# KiCad board OpenRX-all.kicad_pcb (continued)
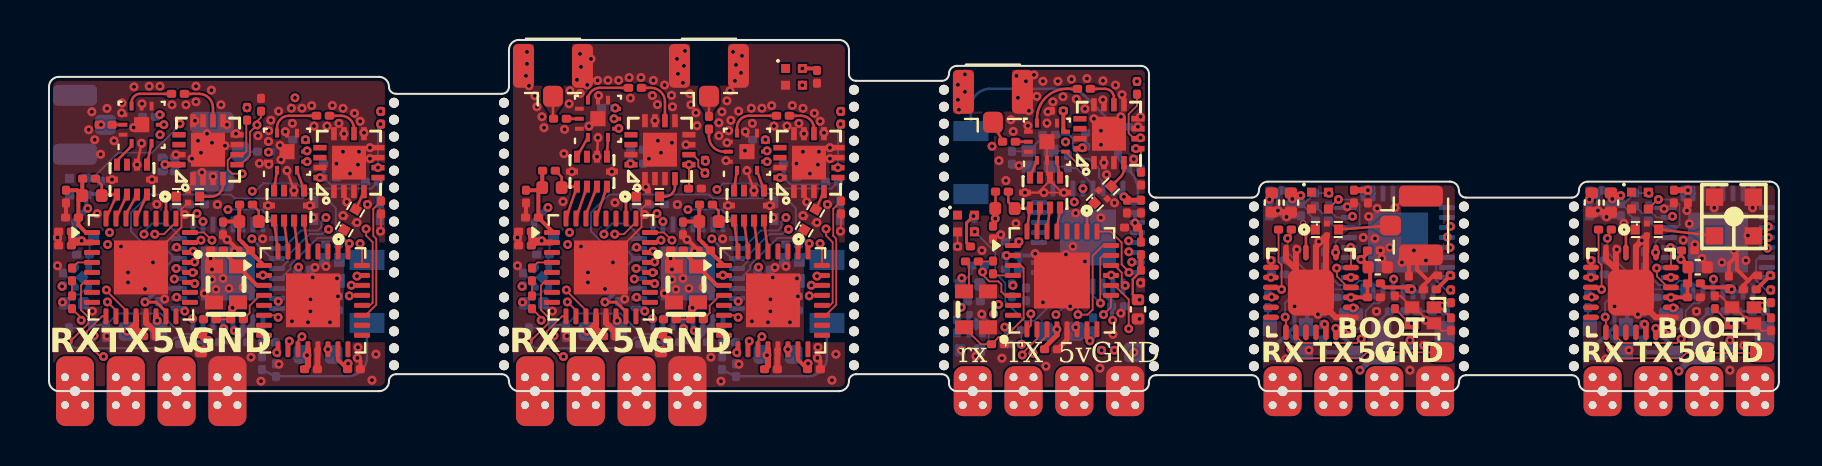
[diagram p0: board, top side]
## Footprints (pads in the part's own frame, mm; a bottom-side part is the same pattern mirrored in y, then rotated)
ANT-SMD_47948-0001
  rect 0.87x0.87 smd: 1(0.97,0.97) 2(-0.97,0.97) 3(-0.97,-0.97) 4(0.97,-0.97)
ANT-SMD_L3.2-W1.6
  rect 1x1.75 smd: 1(-1.58,0) 2(1.58,0)
BreakLine_1h_D0.5mm_P0.85mm
  round 0.5 hole 0.5 unplated: (0,0)
BreakLine_5h_D0.5mm_P0.85mm
  round 0.5 hole 0.5 unplated: (-1.7,0) (-0.85,0) (0,0) (0.85,0) (1.7,0)
BreakLine_11h_D0.5mm_P0.85mm
  round 0.5 hole 0.5 unplated: (-4.25,0) (-3.4,0) (-2.55,0) (-1.7,0) (-0.85,0) (0,0) (0.85,0) (1.7,0) (2.55,0) (3.4,0) (4.25,0)
C_0201_0603Metric
  rrect 0.318x0.36 smd: (-0.345,0) (0.345,0)
  rrect 0.46x0.4 smd: 1(-0.32,0) 2(0.32,0)
C_0402_1005Metric
  rrect 0.56x0.62 smd: 1(-0.48,0) 2(0.48,0)
CRYSTAL-SMD_4P-L1.6-W1.2-BL
  rect 0.73x0.6 smd: 1(-0.55,-0.4) 2(0.55,-0.4) 3(0.55,0.4) 4(-0.55,0.4)
CRYSTAL-SMD_4P-L1.6-W1.2-BL#2
  rect 0.68x0.55 smd: 1(-0.55,-0.375) 2(0.525,-0.375) 3(0.525,0.375) 4(-0.525,0.375)
FILTER-SMD_4P-L1.0-W0.5-L
  rect 0.45x0.5 smd: 1(-0.58,0) 3(0.58,0)
  rect 0.3x0.3 smd: 2(0,-0.3) 4(0,0.3)
FILTER-SMD_10P-L2.0-W1.6-BL
  rect 0.3x0.6 smd: 1(-0.75,-0.75) 2(-0.25,-0.75) 3(0.25,-0.75) 4(0.75,-0.75) 6(0.75,0.75) 7(0.25,0.75) 8(-0.25,0.75) 9(-0.75,0.75)
  rect 0.6x0.3 smd: 5(1,0) 10(-1,0)
L_0201_0603Metric
  rrect 0.318x0.36 smd: (-0.345,0) (0.345,0)
  rrect 0.46x0.4 smd: 1(-0.32,0) 2(0.32,0)
L_0402_1005Metric
  rrect 0.59x0.64 smd: 1(-0.485,0) 2(0.485,0)
L_0603_1608Metric
  rrect 0.875x0.95 smd: 1(-0.787,0) 2(0.787,0)
L_0805_2012Metric
  rrect 0.675x1.2 smd: 1(-0.963,0) 2(0.963,0)
LED-SMD_4P-L1.0-W1.0-TL_XL-1010RGBC-WS2812B
  rect 0.45x0.45 smd: 1(-0.42,0.42) 2(0.42,0.42) 3(-0.42,-0.42) 4(0.42,-0.42)
OSC-SMD_4P-L2.0-W1.6-BL_TXC_7Z
  rect 0.7x0.9 smd: 1(-0.9,-0.6) 2(0.9,-0.6) 3(0.9,0.6) 4(-0.9,0.6)
QFN-12_EP_2x2_Pitch0.5mm
  rect 0.28x0.28 smd: (-0.19,0.19) (-0.19,-0.19) (0.19,0.19) (0.19,-0.19)
  rect 0.44x0.2 smd: 1(-0.93,0.5) 2(-0.93,0) 3(-0.93,-0.5) 7(0.93,-0.5) 8(0.93,0) 9(0.93,0.5)
  rect 0.2x0.44 smd: 4(-0.5,-0.93) 5(0,-0.93) 6(0.5,-0.93) 10(0.5,0.93) 11(0,0.93) 12(-0.5,0.93)
  rect 0.76x0.76 smd: 13(0,0)
QFN-16_L3.0-W3.0-P0.50-BL-EP1.7
  rect 0.28x0.66 smd: 1(-0.75,-1.45) 2(-0.25,-1.45) 3(0.25,-1.45) 4(0.75,-1.45) 9(0.75,1.45) 10(0.25,1.45) 11(-0.25,1.45) 12(-0.75,1.45)
  rect 0.66x0.28 smd: 5(1.45,-0.75) 6(1.45,-0.25) 7(1.45,0.25) 8(1.45,0.75) 13(-1.45,0.75) 14(-1.45,0.25) 15(-1.45,-0.25) 16(-1.45,-0.75)
  rect 1.7x1.7 smd: 17(0,0)
QFN-24_L4.0-W4.0-P0.50-TL-EP2.6
  oval 0.8x0.28 smd: 1(-2,1.25) 2(-2,0.75) 3(-2,0.25) 4(-2,-0.25) 5(-2,-0.75) 6(-2,-1.25) 13(2,-1.25) 14(2,-0.75) 15(2,-0.25) 16(2,0.25) 17(2,0.75) 18(2,1.24)
  oval 0.28x0.8 smd: 7(-1.25,-2) 8(-0.75,-2) 9(-0.25,-2) 10(0.25,-2) 11(0.75,-2) 12(1.25,-2) 19(1.25,2) 20(0.75,2) 21(0.25,2) 22(-0.25,2) 23(-0.75,2) 24(-1.25,2)
  rrect 2.3x2.3 smd: 25(0,-0.01)
QFN-32-1EP_5x5mm_P0.5mm_EP3.7x3.7mm
  rrect 1x1 smd: (-0.75,0.75) (-0.75,-0.75) (0.75,0.75) (0.75,-0.75)
  rrect 0.8x0.25 smd: 1(-2.45,1.75) 2(-2.45,1.25) 3(-2.45,0.75) 4(-2.45,0.25) 5(-2.45,-0.25) 6(-2.45,-0.75) 7(-2.45,-1.25) 8(-2.45,-1.75) 17(2.45,-1.75) 18(2.45,-1.25) 19(2.45,-0.75) 20(2.45,-0.25) 21(2.45,0.25) 22(2.45,0.75) 23(2.45,1.25) 24(2.45,1.75)
  rrect 0.25x0.8 smd: 9(-1.75,-2.45) 10(-1.25,-2.45) 11(-0.75,-2.45) 12(-0.25,-2.45) 13(0.25,-2.45) 14(0.75,-2.45) 15(1.25,-2.45) 16(1.75,-2.45) 25(1.75,2.45) 26(1.25,2.45) 27(0.75,2.45) 28(0.25,2.45) 29(-0.25,2.45) 30(-0.75,2.45) 31(-1.25,2.45) 32(-1.75,2.45)
  rect 2.7x2.7 smd: 33(0,0)
QFN-32-1EP_5x5mm_P0.5mm_EP3.7x3.7mm#2
  rrect 1x1 smd: (-0.75,0.75) (-0.75,-0.75) (0.75,0.75) (0.75,-0.75)
  rrect 0.8x0.25 smd: 1(-2.45,1.75) 2(-2.45,1.25) 3(-2.45,0.75) 4(-2.45,0.25) 6(-2.45,-0.75) 7(-2.45,-1.25) 8(-2.45,-1.75) 19(2.45,-0.75) 20(2.45,-0.25) 21(2.45,0.25) 22(2.45,0.75) 23(2.45,1.25) 24(2.45,1.75)
  rrect 0.25x0.8 smd: 9(-1.75,-2.45) 10(-1.25,-2.45) 11(-0.75,-2.45) 12(-0.25,-2.45) 13(0.25,-2.45) 14(0.75,-2.45) 15(1.25,-2.45) 16(1.75,-2.45) 25(1.75,2.45) 26(1.25,2.45) 27(0.75,2.45) 28(0.25,2.45) 29(-0.25,2.45) 30(-0.75,2.45) 31(-1.25,2.45) 32(-1.75,2.45)
  rect 2.8x2.8 smd: 33(0,0)
QFN-32-1EP_5x5mm_P0.5mm_EP3.7x3.7mm#3
  rrect 1x1 smd: (-0.75,-0.75) (-0.75,0.75) (0.75,-0.75) (0.75,0.75)
  rrect 0.8x0.25 smd: 1(-2.45,1.75) 2(-2.45,1.25) 3(-2.45,0.75) 5(-2.45,-0.25) 6(-2.45,-0.75) 7(-2.45,-1.25) 8(-2.45,-1.75) 17(2.45,-1.75) 18(2.45,-1.25) 20(2.45,-0.25) 21(2.45,0.25) 22(2.45,0.75) 23(2.45,1.25) 24(2.45,1.75)
  rrect 0.75x0.25 smd: 4(-2.475,0.25)
  rrect 0.25x0.8 smd: 9(-1.75,-2.45) 10(-1.25,-2.45) 11(-0.75,-2.45) 12(-0.25,-2.45) 13(0.25,-2.45) 14(0.75,-2.45) 15(1.25,-2.45) 16(1.75,-2.45) 25(1.75,2.45) 27(0.75,2.45) 28(0.25,2.45) 29(-0.25,2.45) 30(-0.75,2.45) 31(-1.25,2.45) 32(-1.75,2.45)
  rect 2.8x2.8 smd: 33(0,0)
QFN-32-1EP_5x5mm_P0.5mm_EP3.7x3.7mm#4
  rrect 1.3x1.3 smd: (-0.875,-0.875) (-0.875,0.875) (0.875,-0.875) (0.875,0.875)
  rrect 0.8x0.25 smd: 1(-2.45,1.75) 2(-2.45,1.25) 3(-2.45,0.75) 4(-2.45,0.25) 5(-2.45,-0.25) 6(-2.45,-0.75) 7(-2.45,-1.25) 8(-2.45,-1.75) 17(2.45,-1.75) 18(2.45,-1.25) 19(2.45,-0.75) 20(2.45,-0.25) 21(2.45,0.25) 22(2.45,0.75) 23(2.45,1.25) 24(2.45,1.75)
  rrect 0.25x0.8 smd: 9(-1.75,-2.45) 10(-1.25,-2.45) 11(-0.75,-2.45) 12(-0.25,-2.45) 13(0.25,-2.45) 14(0.75,-2.45) 15(1.25,-2.45) 16(1.75,-2.45) 25(1.75,2.45) 26(1.25,2.45) 27(0.75,2.45) 28(0.25,2.45) 29(-0.25,2.45) 30(-0.75,2.45) 31(-1.25,2.45) 32(-1.75,2.45)
  rect 3x3 smd: 33(0,0)
R_0201_0603Metric
  rrect 0.318x0.36 smd: (-0.345,0) (0.345,0)
  rrect 0.46x0.4 smd: 1(-0.32,0) 2(0.32,0)
SolderPad_1.2x2.0mm
  round 0.6 hole 0.4: 1(-0.5,0.7) 1(-0.5,-0.7) 1(0.5,0.7) 1(0.5,-0.7)
  rrect 1.9x3.5 hole 0.5: 1(0,0)
SolderPad_1.2x2.0mm#3
  round 0.6 hole 0.4: 1(-0.5,0.7) 1(-0.5,-0.7) 1(0.5,0.7) 1(0.5,-0.7)
  rrect 1.9x2.5 hole 0.5: 1(0,0)
SolderPad_1.2x2.0mm#2
  rrect 1.2x1 smd: 1(0,0)
SolderPad_1.2x2.0mm#4
  rrect 1x1 smd: 1(0,0)
SW-SMD_4P-L3.0-W2.0-P0.85-LS3.5
  rect 0.42x0.6 smd: 1(-1.64,-0.42) 1(-1.64,0.42) 2(1.64,-0.42) 2(1.64,0.42)
U.FL_Hirose_U.FL-R-SMT-1_Vertical
  rrect 1.05x1 smd: 1(-1.525,0)
  rrect 2.2x1.05 smd: 2(0,1.475) 2(0,-1.475)
U.FL_Hirose_U.FL-R-SMT-1_Vertical#2
  rrect 0.9x1 smd: 1(-1.45,0)
  rrect 2.2x1.05 smd: 2(0,-1.475) 2(0,1.475)
X2SON-4_L1.0-W1.0-P0.65-TL-EP
  custom 0.46x0.32 smd: 1(-0.43,0.32) 2(-0.43,-0.32) 3(0.43,-0.32) 4(0.43,0.32)
  rect 0.48x0.48 smd rot 135: 5(0,0)

## Nets
+3V3: C4.1 C5.1 C6.1 C9.1 C11.1 C12.1 C14.1 C15.1 C16.1 C17.1 C18.1 C21.1 C22.1 C26.1 C27.1 C31.1 C35.1 C36.1 C37.1 C40.1 C41.1 C43.1 C47.1 C48.1 C49.1 C52.1 C54.1 C55.1 C57.1 C58.1 C59.1 C60.1 C61.1 C64.1 C65.1 C69.1 C70.1 C74.1 C77.1 C78.1 C79.1 C82.1 C83.1 C85.1 C89.1 C90.1 C91.1 C93.1 C95.1 C96.1 C97.1 C98.1 C99.1 C100.1 C101.1 C106.1 C107.1 C114.1 C115.1 C116.1 C118.1 C120.1 C121.1 C122.1 C123.1 C124.1 C125.1 C126.1 C131.1 C132.1 C140.1 C141.1 C142.1 C145.1 C147.1 C148.1 C150.1 C151.1 C152.1 C153.1 C154.1 C157.1 C158.1 C162.1 C163.1 C167.1 D1.2 D2.2 D3.2 D4.2 D5.2 L3.2 L10.2 L17.2 L21.2 L25.2 OSC3.4 OSC4.4 R2.1 R3.1 R4.1 R5.2 R8.1 R12.1 R14.1 R15.1 R16.1 R17.2 R20.1 R24.1 R25.1 R26.1 R27.1 R28.2 R29.1 R30.1 R31.1 R32.2 R34.1 R35.1 R36.1 R37.2 R40.1 U1.11 U1.17 U1.18 U1.31 U1.32 U2.1 U3.2 U3.15 U4.16 U5.6 U6.2 U6.15 U7.16 U8.6 U10.11 U10.17 U10.18 U10.31 U10.32 U11.1 U12.2 U12.15 U13.16 U14.6 U15.2 U15.15 U16.16 U17.6 U19.11 U19.17 U19.18 U19.31 U19.32 U20.1 U21.11 U21.15 U22.11 U22.17 U22.18 U22.31 U22.32 U23.1 U24.11 U24.15 U25.11 U25.17 U25.18 U25.31 U25.32 U26.1 U27.2 U27.15 U28.16 U29.6
+5V: C8.1 C10.1 C51.1 C53.1 C92.1 C94.1 C117.1 C119.1 C144.1 C146.1 TP3.1 TP7.1 TP11.1 TP16.1 TP21.1 U2.3 U2.4 U11.3 U11.4 U20.3 U20.4 U23.3 U23.4 U26.3 U26.4
GND: AE5.1 AE5.2 AE5.4 C1.2 C2.2 C3.2 C4.2 C5.2 C6.2 C8.2 C9.2 C10.2 C11.2 C12.2 C13.1 C14.2 C15.2 C16.2 C17.2 C18.2 C19.2 C20.1 C21.2 C22.2 C25.2 C26.2 C27.2 C28.2 C29.2 C30.2 C31.2 C32.2 C33.2 C35.2 C36.2 C37.2 C38.1 C39.2 C40.2 C41.2 C43.2 C45.2 C46.2 C47.2 C48.2 C49.2 C51.2 C52.2 C53.2 C54.2 C55.2 C56.1 C57.2 C58.2 C59.2 C60.2 C61.2 C62.2 C63.1 C64.2 C65.2 C68.2 C69.2 C70.2 C71.2 C72.2 C73.2 C74.2 C75.2 C77.2 C78.2 C79.2 C80.1 C81.2 C82.2 C83.2 C85.2 C87.2 C88.2 C89.2 C90.2 C91.2 C92.2 C93.2 C94.2 C95.2 C96.2 C97.2 C98.2 C99.2 C100.2 C101.2 C103.1 C104.2 C105.2 C106.2 C107.2 C108.2 C109.1 C110.2 C111.2 C112.2 C113.2 C114.2 C115.2 C116.2 C117.2 C118.2 C119.2 C120.2 C121.2 C122.2 C123.2 C124.2 C125.2 C126.2 C128.1 C129.2 C130.2 C131.2 C132.2 C133.2 C134.1 C135.2 C136.2 C137.2 C138.2 C139.2 C140.2 C141.2 C142.2 C144.2 C145.2 C146.2 C147.2 C148.2 C149.1 C150.2 C151.2 C152.2 C153.2 C154.2 C155.2 C156.1 C157.2 C158.2 C161.2 C162.2 C163.2 C164.2 C165.2 C166.2 C167.2 D1.3 D2.3 D3.3 D4.3 D5.3 FL1.2 FL1.4 FL2.2 FL2.4 FL3.2 FL3.4 FL4.2 FL4.4 FL5.2 FL5.4 FL6.2 FL6.4 FL7.2 FL7.4 J1.2 J2.2 J3.2 J4.2 J5.2 J6.2 OSC1.1 OSC1.2 OSC2.1 OSC2.2 OSC3.1 OSC3.2 OSC4.1 OSC4.2 OSC5.1 OSC5.2 R7.1 R11.1 R19.1 R23.1 R39.1 T1.5 T1.7 T1.10 T2.5 T2.7 T2.10 T3.5 T3.7 T3.10 T4.5 T4.7 T4.10 T5.5 T5.7 T5.10 TP4.1 TP8.1 TP12.1 TP17.1 TP22.1 U1.33 U2.2 U2.5 U3.13 U3.33 U4.1 U4.2 U4.3 U4.7 U4.8 U4.9 U4.11 U4.12 U4.15 U4.17 U5.2 U5.7 U5.8 U5.10 U5.12 U5.13 U6.13 U6.33 U7.1 U7.2 U7.3 U7.7 U7.8 U7.9 U7.11 U7.12 U7.15 U7.17 U8.2 U8.7 U8.8 U8.10 U8.12 U8.13 U9.2 U10.33 U11.2 U11.5 U12.13 U12.33 U13.1 U13.2 U13.3 U13.7 U13.8 U13.9 U13.11 U13.12 U13.15 U13.17 U14.2 U14.7 U14.8 U14.10 U14.12 U14.13 U15.13 U15.33 U16.1 U16.2 U16.3 U16.7 U16.8 U16.9 U16.11 U16.12 U16.15 U16.17 U17.2 U17.7 U17.8 U17.10 U17.12 U17.13 U18.2 U19.16 U19.33 U20.2 U20.5 U21.13 U21.20 U21.21 U21.23 U21.24 U21.25 U22.16 U22.33 U23.2 U23.5 U24.13 U24.20 U24.21 U24.23 U24.24 U24.25 U25.33 U26.2 U26.5 U27.13 U27.33 U28.1 U28.2 U28.3 U28.7 U28.8 U28.9 U28.11 U28.12 U28.15 U28.17 U29.2 U29.7 U29.8 U29.10 U29.12 U29.13 X1.2 X1.4 X2.2 X2.4 X3.2 X3.4 X4.2 X4.4 X5.2 X5.4
/Clock/TCXO_Out: C7.2 C34.2 C50.2 C76.2 OSC1.3 OSC2.3
/Clock/VTCXO: C13.2 C56.2 OSC1.4 OSC2.4 U6.3 U15.3
/ESP32-C3 + LR1121 Mono/BOOT: R36.2 TP23.1 U25.15
/ESP32-C3 + LR1121 Mono/BUSY: U25.8 U27.25
/ESP32-C3 + LR1121 Mono/CHIP_EN: C164.1 R37.1 U25.7
/ESP32-C3 + LR1121 Mono/CTRL1: U27.11 U29.4
/ESP32-C3 + LR1121 Mono/CTRL2: U27.10 U29.5
/ESP32-C3 + LR1121 Mono/DIO1: U25.5 U27.9
/ESP32-C3 + LR1121 Mono/LED: D5.4 R35.2 U25.14
/ESP32-C3 + LR1121 Mono/MISO: U25.10 U27.21
/ESP32-C3 + LR1121 Mono/MOSI: U25.9 U27.22
/ESP32-C3 + LR1121 Mono/NSS: U25.13 U27.24
/ESP32-C3 + LR1121 Mono/RST: R34.2 U25.6 U27.6
/ESP32-C3 + LR1121 Mono/RXEN24: R40.2 U27.20 U28.6
/ESP32-C3 + LR1121 Mono/SCK: U25.12 U27.23
/ESP32-C3 + LR1121 Mono/TXEN24: R39.2 U27.19 U28.5
/ESP32-C3 + LR1121 Mono/VR_PA: C138.1 C155.1 L27.1 R33.1 U27.1
/ESP32-C3 + LR1121 Mono/WIFI: AE6.1 C166.1 L26.1
/ESP32-C3 + LR1121 Mono/XTAL_N: C139.1 U25.29 X5.3
/ESP32-C3 + LR1121 Mono/XTAL_P: L24.2 U25.30
/ESP32-C3 + SX1281 Core (UFL)/BOOT: R27.2 R31.2 TP13.1 TP18.1 U19.15 U22.15
/ESP32-C3 + SX1281 Core (UFL)/BUSY: U19.8 U21.7 U22.8 U24.7
/ESP32-C3 + SX1281 Core (UFL)/CHIP_EN: C111.1 C136.1 R28.1 R32.1 U19.7 U22.7
/ESP32-C3 + SX1281 Core (UFL)/DIO1: U19.5 U21.8 U22.5 U24.8
/ESP32-C3 + SX1281 Core (UFL)/LED: D3.4 D4.4 R26.2 R30.2 U19.14 U22.14
/ESP32-C3 + SX1281 Core (UFL)/MISO: U19.10 U21.16 U22.10 U24.16
/ESP32-C3 + SX1281 Core (UFL)/MOSI: U19.9 U21.17 U22.9 U24.17
/ESP32-C3 + SX1281 Core (UFL)/NSS: U19.13 U21.19 U22.13 U24.19
/ESP32-C3 + SX1281 Core (UFL)/RST: R25.2 R29.2 U19.6 U21.3 U22.6 U24.3
/ESP32-C3 + SX1281 Core (UFL)/SCK: U19.12 U21.18 U22.12 U24.18
/ESP32-C3 + SX1281 Core (UFL)/WIFI: AE3.1 AE4.1 C104.1 C129.1 L16.1 L20.1
/ESP32-C3 + SX1281 Core (UFL)/XTAL_N: C88.1 C113.1 U19.29 U22.29 X3.3 X4.3
/ESP32-C3 + SX1281 Core (UFL)/XTAL_P: L15.2 L19.2 U19.30 U22.30
/ESP32-C3/BOOT: R4.2 R16.2 U1.15 U9.1 U10.15 U18.1
/ESP32-C3/BUSY_A: U1.8 U3.25 U10.8 U12.25
/ESP32-C3/BUSY_B: R3.2 R15.2 U1.14 U6.25 U10.14 U15.25
/ESP32-C3/CHIP_EN: C28.1 C71.1 R5.1 R17.1 U1.7 U10.7
/ESP32-C3/DIO1_A: U1.5 U3.9 U10.5 U12.9
/ESP32-C3/DIO1_B: U1.25 U6.9 U10.25 U15.9
/ESP32-C3/LED: D1.4 D2.4 U1.26 U10.26
/ESP32-C3/MISO: U1.10 U3.21 U6.21 U10.10 U12.21 U15.21
/ESP32-C3/MOSI: U1.9 U3.22 U6.22 U10.9 U12.22 U15.22
/ESP32-C3/NSS_A: U1.4 U3.24 U10.4 U12.24
/ESP32-C3/NSS_B: U1.13 U6.24 U10.13 U15.24
/ESP32-C3/RST_A: R2.2 R14.2 U1.6 U3.6 U10.6 U12.6
/ESP32-C3/RST_B: U1.16 U6.6 U10.16 U15.6
/ESP32-C3/SCK: U1.12 U3.23 U6.23 U10.12 U12.23 U15.23
/ESP32-C3/WIFI: AE1.1 AE2.1 C30.1 C73.1 L4.1 L11.1
/ESP32-C3/XTAL_N: C3.1 C46.1 U1.29 U10.29 X1.3 X2.3
/ESP32-C3/XTAL_P: L2.2 L9.2 U1.30 U10.30
/LR1121_A/CTRL1: U3.11 U5.4 U12.11 U14.4
/LR1121_A/CTRL2: U3.10 U5.5 U12.10 U14.5
/LR1121_A/RXEN24: R8.2 R20.2 U3.20 U4.6 U12.20 U13.6
/LR1121_A/TXEN24: R7.2 R19.2 U3.19 U4.5 U12.19 U13.5
/LR1121_A/VR_PA: C2.1 C19.1 C45.1 C62.1 L5.1 L12.1 R1.1 R13.1 U3.1 U12.1
/LR1121_A/VTCXO: U3.3 U12.3
/LR1121_B/CTRL1: U6.11 U8.4 U15.11 U17.4
/LR1121_B/CTRL2: U6.10 U8.5 U15.10 U17.5
/LR1121_B/RXEN24: R12.2 R24.2 U6.20 U7.6 U15.20 U16.6
/LR1121_B/TXEN24: R11.2 R23.2 U6.19 U7.5 U15.19 U16.5
/LR1121_B/VR_PA: C33.1 C39.1 C75.1 C81.1 L7.1 L14.1 R10.1 R22.1 U6.1 U15.1
Net-(C1-Pad1): C1.1 C32.1 C87.1 C112.1 C137.1 L2.1 L9.1 L15.1 L19.1 L24.1 X1.1 X2.1 X3.1 X4.1 X5.1
Net-(C7-Pad1): C7.1 C50.1 C143.1 R6.1 R18.1 R38.1
Net-(C25-Pad1): C25.1 C68.1 C108.1 C133.1 C161.1 L3.1 L10.1 L17.1 L21.1 L25.1 U1.2 U1.3 U10.2 U10.3 U19.2 U19.3 U22.2 U22.3 U25.2 U25.3
Net-(C34-Pad1): C34.1 C76.1 R9.1 R21.1
Net-(FL1-IN): FL1.1 FL3.1 FL5.1 FL6.1 FL7.1 U3.26 U12.26 U21.22 U24.22 U27.26
Net-(FL1-OUT): AE5.3 FL1.3 FL3.3 FL5.3 FL6.3 FL7.3 J5.1 U4.4 U13.4 U28.4
Net-(FL2-IN): FL2.1 FL4.1 U6.26 U15.26
Net-(FL2-OUT): FL2.3 FL4.3 U7.4 U16.4
Net-(J1-In): C24.2 C67.2 C160.2 J1.1 J3.1 J6.1
Net-(J2-In): C44.2 C86.2 J2.1 J4.1
Net-(OSC1-Out_Put): C102.1 C127.1 OSC3.3 OSC4.3
Net-(OSC1-OutPut): C143.2 OSC5.3
Net-(OSC1-VDD): C149.2 OSC5.4 U27.3
Net-(T1-RFI_N_LFO): T1.4 T3.4 T5.4 U3.29 U12.29 U27.29
Net-(T1-RFI_P_LFO): T1.3 T3.3 T5.3 U3.30 U12.30 U27.30
Net-(T1-RFO_HP_LF): L5.2 L12.2 L27.2 R1.2 R13.2 R33.2 T1.1 T3.1 T5.1 U3.32 U12.32 U27.32
Net-(T1-RFO_LP_LF): T1.2 T3.2 T5.2 U3.31 U12.31 U27.31
Net-(T1-RX): T1.6 T3.6 T5.6 U5.3 U14.3 U29.3
Net-(T1-TX_HP): T1.9 T3.9 T5.9 U5.1 U14.1 U29.1
Net-(T2-RFI_N_LFO): T2.4 T4.4 U6.29 U15.29
Net-(T2-RFI_P_LFO): T2.3 T4.3 U6.30 U15.30
Net-(T2-RFO_HP_LF): L7.2 L14.2 R10.2 R22.2 T2.1 T4.1 U6.32 U15.32
Net-(T2-RFO_LP_LF): T2.2 T4.2 U6.31 U15.31
Net-(T2-RX): T2.6 T4.6 U8.3 U17.3
Net-(T2-TX_HP): T2.9 T4.9 U8.1 U17.1
Net-(U1-LNA_IN): C29.1 C72.1 C105.1 C130.1 C165.1 L4.2 L11.2 L16.2 L20.2 L26.2 U1.1 U10.1 U19.1 U22.1 U25.1
Net-(U1-U0RXD): TP1.1 TP5.1 TP9.1 TP14.1 TP19.1 U1.27 U10.27 U19.27 U22.27 U25.27
Net-(U1-U0TXD): TP2.1 TP6.1 TP10.1 TP15.1 TP20.1 U1.28 U10.28 U19.28 U22.28 U25.28
Net-(U3-DCC_FB): C103.2 C109.2 C128.2 C134.2 L18.1 L22.1 U21.2 U21.12 U24.2 U24.12
Net-(U3-DCC_SW): L1.1 L8.1 L18.2 L22.2 L23.1 U3.14 U12.14 U21.14 U24.14 U27.14
Net-(U3-VR_PA): C110.1 C135.1 U21.1 U24.1
Net-(U3-VREG): C20.2 C63.2 C156.2 L1.2 L8.2 L23.2 U3.12 U12.12 U27.12
Net-(U3-XTA): C102.2 C127.2 R6.2 R18.2 R38.2 U3.4 U12.4 U21.4 U24.4 U27.4
Net-(U4-ANT): C23.1 C66.1 C159.1 U4.10 U13.10 U28.10
Net-(U5-J2): C23.2 C66.2 C159.2 U5.9 U14.9 U29.9
Net-(U5-RFC): C24.1 C67.1 C160.1 U5.11 U14.11 U29.11
Net-(U6-DCC_SW): L6.1 L13.1 U6.14 U15.14
Net-(U6-VREG): C38.2 C80.2 L6.2 L13.2 U6.12 U15.12
Net-(U6-XTA): R9.2 R21.2 U6.4 U15.4
Net-(U7-ANT): C42.1 C84.1 U7.10 U16.10
Net-(U8-J2): C42.2 C84.2 U8.9 U17.9
Net-(U8-RFC): C44.1 C86.1 U8.11 U17.11

Pads without a net: AE1 2; AE2 2; AE3 2; AE4 2; AE6 2; D1 1; D2 1; D3 1; D4 1; D5 1; T1 8; T2 8; T3 8; T4 8; T5 8; U1 19 20 21 22 23 24; U3 5 7 8 16 17 18 27 28; U4 13 14; U6 5 7 8 16 17 18 27 28; U7 13 14; U10 19 20 21 22 23 24; U12 5 7 8 16 17 18 27 28; U13 13 14; U15 5 7 8 16 17 18 27 28; U16 13 14; U19 4 19 20 21 22 23 24 25 26; U21 5 6 9 10; U22 4 19 20 21 22 23 24 25 26; U24 5 6 9 10; U25 4 16 20 21 22 23 24 25; U27 7 8 16 27 28; U28 13 14

## Via types
v1: diameter 0.45, hole 0.2, Top to Bottom, 637 vias
v2: diameter 0.3, hole 0.2, Top to Bottom, 1 via

## Routing (per net, layer and track width the routed paths; a pad name or vN(x,y) marks a point on that pad's centre or on a via; arc(x,y) is an arc through that point)
+3V3: length 115
  Top w0.09: U15.2 33.71,5.8 v1(33.7,5.81) ; U6.2 10.71,5.8 v1(10.7,5.81) ; v1(61.94,7.66) 62.08,7.8 62.08,8.02 62.12,8.06 R25.1 ; U8.6 12.83,12.59 v1(12.82,12.6) ; U17.6 35.83,12.59 v1(35.82,12.6) ; v1(5.54,13.85) 5.54,13.85 U5.6 ; R8.1 v1(9.9,14.2) ; R20.1 32.8,11.54 v1(32.82,11.52) ; R29.1 78.02,8 78.02,7.76 v1(77.92,7.66)
  Top w0.12: C145.1 54.6,6.02 54.19,5.61 54.19,4.84 C147.1
  Top w0.15: v1(4.8,4.47) 4.81,4.46 5.37,4.46 5.85,3.97 U3.15 ; U12.15 28.85,3.97 28.37,4.46 27.81,4.46 v1(27.8,4.47) ; C148.1 45.88,7.44 45.88,8.43 v1(46.22,8.78) D5.2
  Top w0.2: v1(37.96,1.39) 37.93,1.36 C79.1 37.45,1.58 U15.15 ; U24.11 79.85,3.35 79.84,3.36 v1(79.78,3.36) ; v1(50.72,14.05) 50.72,13.11 U29.6 ; v1(63.78,3.36) 63.84,3.36 63.85,3.35 U21.11 ; v1(86.07,5.8) 86.07,5.8 85.37,5.1 C114.1 ; v1(80,9.92) 79.97,9.95 D4.2 ; v1(65.1,4.7) C93.1 L17.2 66.06,5.53 66.06,6.21 65.67,6.6 v1(65.6,6.6) 65.93,6.93 C91.1 ; v1(37.67,16.17) 38.3,16.17 C55.1 ; v1(64,9.92) 63.97,9.95 D3.2 ; v1(30.97,2.55) 30.96,2.54 30.78,2.54 30.65,2.66 30.65,2.93 ; C89.1 69.37,5.1 70.07,5.8 v1(70.07,5.8) ; 7.65,2.93 7.65,2.66 7.78,2.54 7.96,2.54 v1(7.97,2.55) ; U6.15 14.45,1.58 C37.1 14.93,1.36 v1(14.96,1.39) ; C116.1 81.6,7.02 v1(81.6,6.6) 81.67,6.6 82.06,6.21 82.06,5.53 L21.2 C118.1 v1(81.1,4.7)
  Top w0.25: v1(53.75,9.74) 53.9,9.59 C162.1 C140.1 ; C145.1 L25.2 ; U27.15 51.9,2.67 52.05,2.53 v1(52.05,2.52)
  Top w0.3: v1(62.17,9.63) 62.1,9.7 C100.1 ; U12.2 24.4,7.45 ; 24.4,7.45 24.49,7.54 v1(24.64,7.54) 24.31,7.54 24.12,7.73 C57.1 C58.1 24.27,7.45 24.4,7.45 ; v1(78.17,9.63) 78.1,9.7 C125.1 ; U4.16 6.49,11.36 v1(5.8,11.36) ; C90.1 v1(65.95,10.07) ; 1.4,7.45 1.27,7.45 C15.1 C14.1 1.12,7.73 1.31,7.54 v1(1.64,7.54) 1.49,7.54 1.4,7.45 ; 1.4,7.45 U3.2 ; C115.1 v1(81.95,10.07)
  In2.Cu w0.4: v1(4.8,4.47) 4.79,4.46 4.21,4.46 2.93,5.74 v1(2.93,7.35) 2.78,7.5 1.67,7.5 v1(1.64,7.54) ; v1(24.64,7.54) 24.67,7.5 25.78,7.5 v1(25.93,7.35) 25.93,5.74 27.21,4.46 27.79,4.46 v1(27.8,4.47)
  In3.Cu w0.3: v1(35.48,6.22) 35.08,5.81 v1(33.7,5.81) ; v1(12.48,6.22) 12.08,5.81 v1(10.7,5.81)
  Bottom w0.09: v1(61.94,7.66) 61.94,7.66 61.94,7.65 61.94,6.95 62.13,6.75 62.13,6.74 63.29,5.58 R28.2 ; R16.1 38.69,10.36 37.06,10.36 C82.1 ; U1.31 11.46,4.59 v1(11.46,4.5) 11.46,4.4 11.4,4.33 U1.32 ; v1(64,9.92) R27.1 62.8,9.42 C99.1 62.97,9.06 62.97,8.92 R26.1 ; v1(45.64,5.67) 45.57,5.6 C154.1 46.13,5.91 R34.1 ; v1(80,9.92) R31.1 78.8,9.42 C124.1 78.97,9.06 78.97,8.92 R30.1 ; C40.1 14.06,10.36 15.69,10.36 R4.1 ; v1(77.92,7.66) 77.94,7.66 77.93,7.65 77.93,6.96 78.13,6.75 78.13,6.74 79.29,5.58 R32.2 ; U10.31 34.46,4.59 v1(34.46,4.5) 34.46,4.4 34.4,4.33 U10.32 ; R14.1 24.58,3.17 25.07,2.68 R17.2 25.23,2.68 25.25,2.7 v1(25.25,2.78) ; v1(2.25,2.78) 2.25,2.7 2.23,2.68 R5.2 2.07,2.68 1.58,3.17 R2.1 ; v1(47.79,3.21) 47.95,3.05 R37.2 ; v1(45.61,4.2) 45.91,4.5 C153.1
  Bottom w0.2: v1(36.55,10.7) C82.1 C83.1 ; 7.17,2.45 7.8,2.45 7.89,2.54 7.96,2.54 ; C141.1 53.14,4.24 53.14,3.6 v1(53.19,3.55) ; C59.1 v1(27.8,4.47) 27.97,4.64 27.99,4.64 28.47,5.12 C48.1 ; v1(51.66,12.19) 51.72,12.25 C157.1 C167.1 ; U22.32 85.9,5.72 85.98,5.8 v1(86.07,5.8) 86.07,6.03 U22.31 ; v1(65.6,6.6) 65.5,6.7 U19.11 ; C122.1 78.92,3.27 OSC4.4 79.57,3.2 C123.1 79.75,3.33 v1(79.78,3.36) ; v1(30.97,2.55) 30.96,2.54 ; 30.96,2.54 30.89,2.54 30.8,2.45 30.17,2.45 ; 30.96,2.54 30.9,2.54 30.88,2.52 L10.2 ; C5.1 5.47,5.12 4.99,4.64 4.97,4.64 v1(4.8,4.47) C16.1 ; C5.1 5.53,5.15 U1.11 ; C5.1 4.83,5.79 R3.1 ; U10.11 28.53,5.15 C48.1 ; v1(13.55,10.7) C40.1 C41.1 ; U22.11 81.5,6.7 v1(81.6,6.6) ; v1(7.97,2.55) 7.96,2.54 ; 7.96,2.54 7.9,2.54 7.88,2.52 L3.2 ; R15.1 27.83,5.79 C48.1 ; U19.31 70.07,6.03 v1(70.07,5.8) 69.98,5.8 69.9,5.72 U19.32 ; C12.1 1.92,9.88 D1.2 1.87,9.23 v1(1.94,9.16) ; C97.1 62.92,3.27 OSC3.4 63.57,3.2 C98.1 63.75,3.33 v1(63.78,3.36) ; 47.88,6.1 v1(47.88,6.8)
  Bottom w0.25: C152.1 52.21,2.72 52.05,2.55 v1(52.05,2.52) ; C141.1 53.13,4.52 52.7,4.95 U25.11 ; 53.25,10.15 53.34,10.15 v1(53.75,9.74)
  Bottom w0.3: U22.17 81.78,9.9 v1(81.95,10.07) 82.12,9.9 U22.18 ; v1(12.48,6.22) 12.48,6.15 12.43,6.1 C36.1 ; v1(62.17,9.63) 61.91,9.37 U20.1 62.55,9.37 C99.1 62.6,9.79 v1(62.59,9.8) ; C65.1 28.3,14.2 v1(28.31,14.19) ; v1(78.59,9.8) 78.6,9.79 C124.1 78.55,9.37 U23.1 77.91,9.37 v1(78.17,9.63) ; C61.1 24.27,8.52 v1(24.95,9.2) ; v1(35.48,6.22) 35.48,6.15 35.43,6.1 C78.1 ; 5.84,11.4 v1(5.8,11.36) ; v1(84.05,2.55) 84.05,1.99 83.55,1.49 81.98,1.49 v1(81.49,1.01) ; 5.8,11 5.8,11.7 ; U19.17 65.78,9.9 v1(65.95,10.07) 66.12,9.9 U19.18 ; v1(68.05,2.55) 68.05,2.2 67.34,1.49 65.99,1.49 v1(65.55,1.05) ; C18.1 1.27,8.52 1.91,9.16 v1(1.94,9.16) ; C126.1 v1(81.1,4.7) ; C101.1 v1(65.1,4.7) ; C74.1 C64.1 v1(29.08,11.39)
  vias: v1(7.4,8.9) v1(7.7,8.5) v1(16.58,14.02) v1(30.4,8.9) v1(30.7,8.5) v1(39.57,14.02) v1(48.2,5.3) v1(52.63,2.05) v1(54.4,15.52) v1(54.53,4.58)
+5V: length 53.3
  Top w0.2: C117.1 77.15,9.74 v1(77.02,9.61) ; C92.1 61.15,9.74 v1(61.02,9.61)
  In2.Cu w0.3: 82.77,0.35 82.77,2.12 81.33,3.56 81.09,3.56 76.95,7.7 76.95,9.54 v1(77.02,9.61) ; 66.77,0.35 66.77,2.12 65.24,3.65 65,3.65 60.95,7.7 60.95,9.54 v1(61.02,9.61)
  In3.Cu w0.3: TP21.1 50.77,1.08 49,2.85 48.15,2.85 47.55,2.25 45.81,2.25 v1(45.61,2.05)
  In3.Cu w0.4: v1(23.65,5.25) 23.65,4.5 23.68,4.47 v1(23.68,4.46) 23.7,4.43 23.7,3.6 25.05,2.25 27.45,2.25 28.88,0.82 TP7.1 ; v1(0.65,5.25) 0.65,4.5 0.68,4.47 v1(0.68,4.46) 0.7,4.43 0.7,3.6 2.05,2.25 4.45,2.25 5.88,0.82 TP3.1
  Bottom w0.09: v1(45.61,2.05) C144.1 ; U23.4 76.86,9.21 76.86,8.89 U23.3 ; C51.1 24.22,4.84 24.55,4.84 U11.3 ; U20.3 60.86,8.89 60.86,9.21 U20.4 ; U2.3 1.55,4.84 1.22,4.84 C8.1
  Bottom w0.3: U20.4 v1(61.02,9.61) 61.02,10.04 C94.1 ; C119.1 77.02,10.04 v1(77.02,9.61) U23.4
GND: length 119.1
  Top w0.09: FL3.2 29.63,9.13 29.63,8.23 U12.33 ; R23.1 39.6,8.04 v1(39.57,8.01) ; 50.05,10.55 T5.7 49.9,10.85 U29.2 U29.13 ; 50.05,10.55 50.65,9.95 T5.5 v1(49.75,9.95) v1(48.8,9.95) 49.45,9.95 50.05,10.55 ; C113.2 83.58,4.77 X4.2 84.28,4.2 84.85,3.64 84.85,3.57 v1(84.83,3.55) 84.85,3.55 85,3.4 X4.4 85.62,3.03 C112.2 ; U3.33 6.63,8.23 6.63,9.13 FL1.2 ; R11.1 16.6,8.04 v1(16.58,8.01) ; v1(67.3,9.19) 67.89,9.78 68.6,9.78 ; C88.2 67.58,4.77 X3.2 68.28,4.2 68.85,3.64 68.85,3.57 v1(68.83,3.55) 68.85,3.55 69,3.4 X3.4 69.62,3.03 C87.2 ; v1(45.43,7.25) D5.3
  Top w0.127: U8.2 v1(12.25,10.05) ; v1(4.63,12.42) v1(4.4,11.35) ; U14.2 v1(27.45,12.7) v1(27.4,11.75) ; U17.2 v1(35.25,10.05)
  Top w0.2: C132.2 85.23,5.8 84.97,5.53 ; C75.2 32.43,7.1 C81.2 ; v1(15.42,1.66) 15.57,1.51 C37.2 ; C56.1 v1(31.08,6.65) 31.08,6.42 OSC2.1 ; 84.97,5.53 84.4,6.1 84.4,6.85 84.25,7 v1(84.25,7.05) 84.3,7 84.3,6.7 84,6.4 C133.2 ; 84.97,5.53 84.73,5.3 C114.2 ; v1(38.42,1.66) 38.57,1.51 C79.2 ; 68.97,5.53 69.23,5.8 C107.2 ; 68.97,5.53 68.4,6.1 68.4,6.85 68.25,7 v1(68.25,7.05) 68.3,7 68.3,6.7 68,6.4 C108.2 ; 68.97,5.53 68.73,5.3 C89.2 ; C62.2 23.85,8.72 C45.2 ; C2.2 0.85,8.72 C19.2 ; C39.2 9.43,7.1 C33.2 ; C145.2 54.59,5.43 v1(54.57,5.42) ; C13.1 v1(8.08,6.65) 8.08,6.42 OSC1.1
  Top w0.25: C156.1 50.9,2.58 U27.13
  Top w0.3: C63.1 28.37,2.9 27.85,3.42 U12.13 ; U21.13 64.34,3.7 U21.25 ; U15.13 36.42,2.07 C80.1 ; U21.25 63.35,5.19 U21.21 63.35,7.25 FL5.2 63.87,7.77 63.87,6.97 U21.20 63.85,5.69 U21.25 ; U21.25 62.35,5.69 62.35,6.1 ; U3.13 4.85,3.42 5.37,2.9 C20.1 ; C14.2 0.48,7.75 v1(0.42,7.7) 0.48,7.64 C15.2 ; 62.35,6.1 61.85,6.6 U21.24 ; 62.35,6.1 U21.23 ; 78.35,6.1 78.35,5.69 U24.25 ; 78.35,6.1 U24.23 ; 78.35,6.1 77.85,6.6 U24.24 ; U24.25 80.34,3.7 U24.13 ; U24.25 79.85,5.69 U24.20 79.87,6.97 79.87,7.77 FL6.2 79.35,7.25 U24.21 79.35,5.19 U24.25 ; C117.2 77.37,8.97 v1(77.45,9.05) 77.53,8.97 C125.2 78.1,8.95 v1(77.88,8.73) ; U6.13 13.42,2.07 C38.1 ; C57.2 23.48,7.75 v1(23.42,7.7) 23.48,7.64 C58.2 ; v1(61.88,8.73) 62.1,8.95 C100.2 61.53,8.97 v1(61.45,9.05) 61.37,8.97 C92.2
  Bottom w0.09: v1(0.42,6.28) 0.7,6.01 C10.2 0.92,5.7 U2.5 1.65,5.81 U2.2 1.97,6.8 C17.2 2.02,7.49 C18.2 ; v1(2.17,4.01) 1.78,4.4 C8.2 ; X2.2 36.83,6.63 C46.2 ; v1(23.42,6.28) 23.7,6.01 C53.2 23.92,5.7 U11.5 24.65,5.81 U11.2 24.97,6.8 C60.2 25.02,7.49 C61.2 ; X5.4 48.28,11.25 C137.2 ; v1(25.9,2.77) 25.85,2.72 C71.2 ; v1(25.17,4.01) 24.78,4.4 C51.2 ; C28.2 2.85,2.72 v1(2.9,2.77) ; C139.2 50.72,12.05 X5.2 ; C141.2 53.77,4.08 v1(53.6,3.91) ; v1(79.65,7.55) 79.73,7.55 C136.2 ; C111.2 63.68,7.5 v1(63.5,7.5) ; X1.4 14.53,4.81 C1.2 ; C144.2 46.99,2.5 46.99,3.47 U26.2 ; X2.4 37.53,4.81 C32.2 ; C3.2 13.83,6.63 X1.2
  Bottom w0.2: C119.2 77.45,9.83 v1(77.45,9.05) ; 6.53,9.35 6.53,9.14 6.79,8.88 v1(6.79,8.85) ; 29.53,9.35 29.53,9.14 29.79,8.88 v1(29.79,8.85) ; v1(5.78,4.62) 5.65,4.48 C5.2 ; C121.2 80.09,9.19 80.72,9.19 80.76,9.15 v1(80.76,9.14) ; 77.95,2.9 78.28,3.23 v1(78.28,4.25) 78.28,4.28 ; 77.95,2.9 OSC4.2 ; 77.95,2.9 OSC4.1 78.6,2 78.15,1.55 77.93,1.55 v1(77.86,1.62) ; v1(64.92,9.24) 64.76,9.24 64.71,9.19 64.09,9.19 C96.2 ; C48.2 28.65,4.48 v1(28.78,4.62) ; C94.2 61.45,9.83 v1(61.45,9.05) ; 61.95,2.9 62.28,3.23 v1(62.28,4.25) 62.28,4.28 ; 61.95,2.9 OSC3.2 ; 61.95,2.9 OSC3.1 62.6,2 62.15,1.55 61.93,1.55 v1(61.86,1.62) ; v1(49.31,6.89) 49.22,6.8 48.52,6.8 48.52,6.1 ; C82.2 v1(37.37,11.4) ; C40.2 v1(14.37,11.4)
  Bottom w0.3: C99.2 61.93,8.78 v1(61.88,8.73) 61.77,8.73 v1(61.45,9.05) ; v1(77.45,9.05) 77.77,8.73 v1(77.88,8.73) 77.93,8.78 C124.2
  vias: v1(1.98,13.1) v1(2.14,14) v1(2.29,12.6) v1(2.41,8.89) v1(2.58,11.87) v1(2.9,14.17) v1(3.15,10.6) v1(3.25,12.54) v1(3.63,13.94) v1(3.6,7.25) v1(3.65,14.44) v1(3.95,5.95) v1(3.95,5.45) v1(4.25,15.25) v1(4.23,13.21) v1(4.65,14.4) v1(4.8,5.12) v1(5.01,15.28) v1(5.15,10.6) v1(5.2,6.45) v1(5.39,9.36) v1(5.55,15.28) v1(6.15,14.35) v1(6.35,11.85) v1(6.85,14.35) v1(6.84,10.23) v1(7.15,11.65) v1(7.35,15.28) v1(7.35,14.5) v1(7.3,13.55) v1(7.45,12.55) v1(7.6,11.95) v1(7.65,10.96) v1(7.77,4.9) v1(7.9,12.9) v1(8.12,15.08) v1(8.15,12.45) v1(8.2,10.76) v1(8.15,6.1) v1(8.15,5.6) v1(8.35,5.1) v1(8.42,9.35) v1(8.6,14.35) v1(8.7,5.65) v1(8.8,12.3) v1(8.9,13.35) v1(8.9,7.6) v1(9,5.15) v1(9.35,12.9) v1(9.28,7.01) v1(9.7,5.2) v1(10.1,1.7) v1(10.45,12.8) v1(10.52,11.41) v1(10.6,0.5) v1(10.69,7.64) v1(10.98,13.05) v1(10.97,12.52) v1(10.99,11.36) v1(10.95,9.3) v1(11.1,13.57) v1(11.48,14.03) v1(11.5,1.35) v1(11.55,12.32) v1(11.6,11.6) v1(11.82,13) v1(11.9,11.05) v1(12.12,14.18) v1(12.17,13.42) v1(12.15,3.5) v1(12.65,14.18) v1(13.05,9.3) v1(12.95,3.45) v1(13.14,14.31) v1(13.08,4.6) v1(13.07,4) v1(13.25,13.28) v1(13.22,8.7) v1(13.18,5.7) v1(13.3,6.2) v1(13.85,6.25) v1(13.9,13.28) v1(14.05,3.45) v1(14.16,14.31) v1(14.4,5.65) v1(14.5,13.42) v1(14.45,4.75) v1(14.7,14.17) v1(14.7,12) v1(14.7,8.8) v1(14.75,12.9) v1(14.89,9.48) v1(15.05,10.9) v1(15.27,13.93) v1(15.4,8.45) v1(15.5,12) v1(15.45,11.35) v1(15.45,2.2) v1(15.56,13.52) v1(15.75,12.95) v1(15.92,9.36) v1(16.05,12.2) v1(16.05,11.65) v1(16.15,0.55) v1(16.35,1.85) v1(23.85,15.8) v1(23.9,17) v1(23.9,16.4) v1(24,15.3) v1(24.3,14.8) v1(24.4,14.25) v1(24.65,13.75) v1(24.75,13.2) v1(25.7,9.5) v1(25.78,13.12) v1(25.75,11.9) v1(26.05,15.05) v1(26.01,14.4) v1(26.15,11) v1(26.4,15.6) v1(26.55,16.9) v1(26.6,16.25) v1(26.56,14.92) v1(26.6,7.25) v1(26.91,15.34) v1(27,13.28) v1(26.95,5.95) v1(26.95,5.45) v1(27.1,16.65) v1(27.43,15.57) v1(27.48,14.81) v1(27.8,5.12) v1(27.95,15.58) v1(28.15,11) v1(28.2,6.45) v1(28.3,9.45) v1(28.48,15.58) v1(29.01,15.72) v1(29.07,14.69) v1(29.6,15.72) v1(29.84,10.23) v1(30,11.65) v1(30.22,15.57) v1(30.17,14.81) v1(30.3,13.55) v1(30.42,14.36) v1(30.45,12.55) v1(30.6,11.95) v1(30.78,15.34) v1(30.76,4.9) v1(31.13,14.82) v1(31.18,14.25) v1(31.15,12.45) v1(31.15,6.1) v1(31.15,5.6) v1(31.35,5.1) v1(31.4,16.65) v1(31.45,15.9) v1(31.42,9.35) v1(31.7,15.45) v1(31.7,5.65) v1(31.8,17.05) v1(31.75,16.3) v1(31.85,12.35) v1(31.9,7.6) v1(32,5.15) v1(32.05,14.9) v1(32.1,14.35) v1(32.35,13.95) v1(32.28,7.01) v1(32.4,13.3) v1(32.7,5.2) v1(33.1,1.7) v1(33.5,13.45) v1(33.5,12.8) v1(33.6,0.5) v1(33.65,14) v1(33.69,7.64) v1(33.85,11.55) v1(33.9,14.55) v1(33.9,12.45) v1(33.95,9.3) v1(33.98,13.05) v1(34.05,15.05) v1(34.1,13.57) v1(34.2,17) v1(34.35,16.35) v1(34.3,15.55) v1(34.48,14.03) v1(34.5,1.35) v1(34.6,15.95) v1(34.65,16.8) v1(34.82,13) v1(34.8,12.05) v1(34.9,11.05) v1(35.12,14.18) v1(35.17,13.42) v1(35.15,3.5) v1(35.65,14.18) v1(35.95,3.45) v1(36.14,14.31) v1(36.05,9.3) v1(36.07,4.6) v1(36.07,4) v1(36.25,13.28) v1(36.22,8.7) v1(36.18,5.7) v1(36.3,6.2) v1(36.85,6.25) v1(36.9,13.28) v1(37.05,3.45) v1(37.16,14.31) v1(37.4,5.65) v1(37.45,4.75) v1(37.5,13.42) v1(37.7,14.17) v1(37.7,12) v1(37.7,8.8) v1(37.75,12.9) v1(37.89,9.48) v1(38.05,10.9) v1(38.27,13.93) v1(38.45,11.35) v1(38.4,8.45) v1(38.45,2.2) v1(38.5,12) v1(38.56,13.52) v1(38.75,12.95) v1(38.92,9.36) v1(39.05,12.2) v1(39.05,11.65) v1(39.15,0.55) v1(39.35,1.85) v1(45.45,15.35) v1(45.45,14.6) v1(45.5,14.1) v1(45.8,15.88) v1(45.8,15) v1(46.35,1.75) v1(46.64,3.86) v1(46.65,7.05) v1(47.15,12.27) v1(47.5,11.55) v1(47.59,7.84) v1(47.65,1.65) v1(47.85,10.55) v1(48.1,13.6) v1(48.21,13.02) v1(48.35,8.4) v1(48.38,15.8) v1(48.45,14.7) v1(48.5,11.3) v1(48.85,15.53) v1(48.95,13.3) v1(49,14.05) v1(49.25,15.85) v1(49.39,14.77) v1(49.7,15.53) v1(49.7,4.45) v1(49.85,1.25) v1(49.95,14) v1(49.9,13.43) v1(50.2,14.5) v1(50.45,15.53) v1(50.7,14.75) v1(50.75,9.95) v1(50.85,6.85) v1(51.13,15.63) v1(51.06,4.25) v1(51.2,7.25) v1(51.34,8.92) v1(51.37,14.64) v1(51.8,14.15) v1(51.8,6.5) v1(51.9,15.66) v1(52.25,13.65) v1(52.6,13.05) v1(52.6,12.35) v1(52.59,8.69) v1(52.55,1.15) v1(52.7,15.55) v1(52.7,14.6) v1(52.75,11.45) v1(52.88,10.85) v1(53.2,2.85) v1(53.33,15.34) v1(53.28,9.44) v1(53.6,13.75) v1(53.65,14.85) v1(54.24,11.63) v1(54.45,13.25) v1(54.53,3.62) v1(54.57,13.75) v1(62.4,7.1) v1(63,2.05) v1(63.45,3.85) v1(65.72,7.7) v1(65.99,8.75) v1(66.3,7.65) v1(66.41,9.16) v1(66.38,4) v1(66.57,7.05) v1(66.65,6.65) v1(67.05,7.2) v1(67.65,6.45) v1(68.05,1.05) v1(68.85,6.55) v1(68.75,2.3) v1(78.4,7.1) v1(78.75,8.41) v1(79,2.05) v1(79.45,3.85) v1(81.72,7.57) v1(81.9,9.05) v1(82.02,8.39) v1(82.3,7.35) v1(82.38,4) v1(82.65,6.65) v1(83.27,9.19) v1(83.65,6.45) v1(84.05,1.05) v1(84.85,6.55) v1(84.75,2.3) v1(84.95,7.8) v1(85.18,9.19) v2(62.71,8.42)
